# Altium PCB PCB1.PcbDoc (part 1 of 2) (continued)
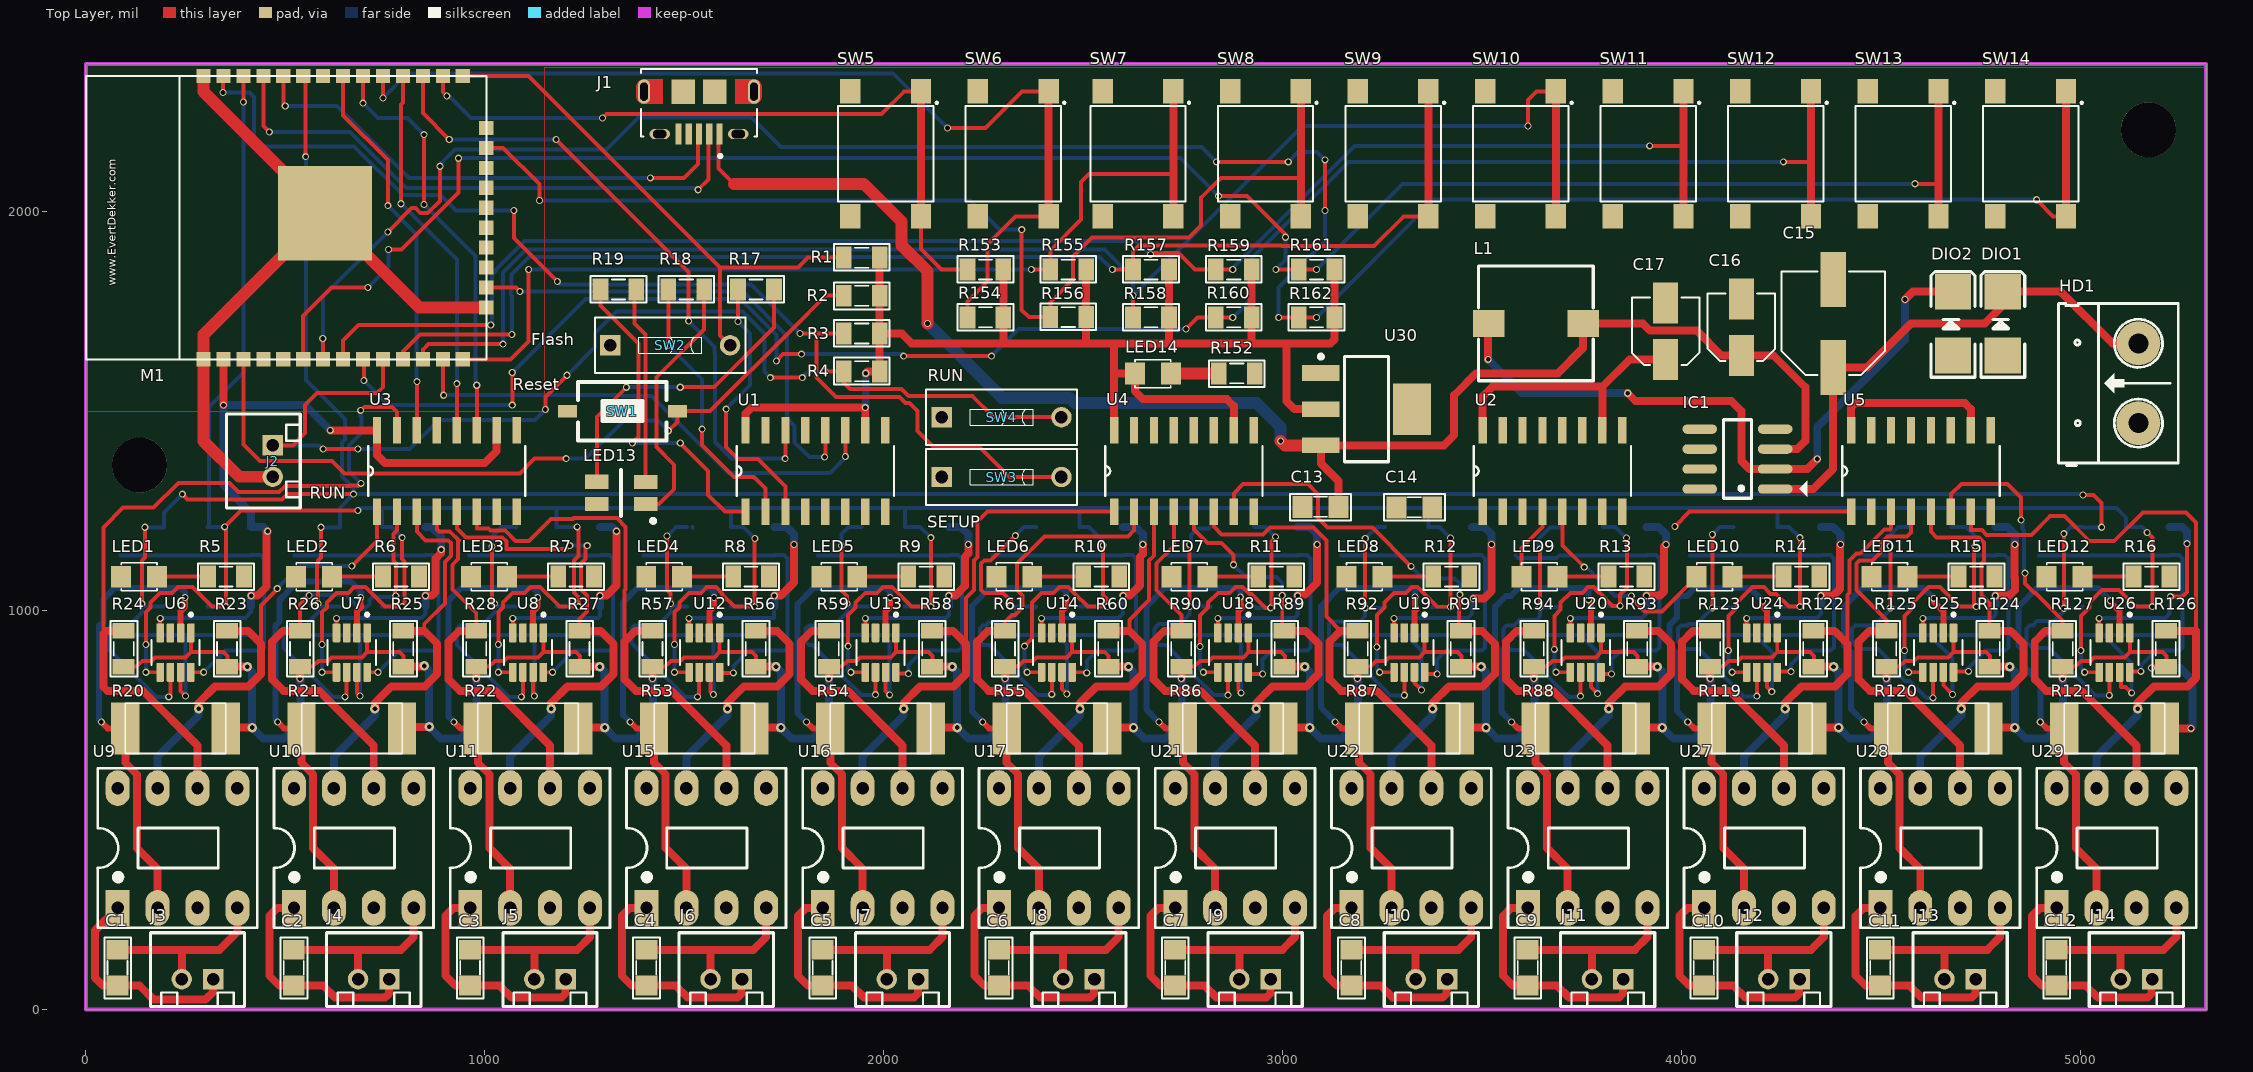
[diagram p0: Top Layer view]
## Footprints (in the part's own frame and the unit in brackets; to place one, negate y for a bottom-side part, rotate by r counter-clockwise, add the part's x,y. Pads: shape width x height; smd on the part's side, far side on the other; paste and mask are expansions set on the pad)
62000211622 [mm] "2.00mm Male Vertical Shrouded Header, 2p"
  rect 1.3x1.3 hole 0.8: 1(1,-0.6)
  round 1.3 hole 0.8: 2(-1,-0.6)
  silkscreen extent -3,-2.35 3,2.35, body extent -3,-2.35 3,2.35, height 6.15
AMPHENOL_10118194-0001LF [mm]
  rect 0.4x1.35 smd: 1(-1.3,2.7) 2(-0.65,2.7) 3(0,2.7) 4(0.65,2.7) 5(1.3,2.7)
  oval 1.3x0.65 hole 0.55 slot 0.85 at 0 deg: S1(-2.5,2.7) S2(2.5,2.7)
  oval 0.775x1.55 hole 0.5 slot 1.15 at 90 deg: S3(-3.5,0) S6(3.5,0)
  rect 1.5x1.55 smd: S4(-1,0) S5(1,0)
  Top Layer region: 193 vertices and 0 holes, not listed, extent 2.3,-0.78 4,0.775
  Top Layer region: 193 vertices and 0 holes, not listed, extent -4,-0.775 -2.3,0.78
  silkscreen extent -3.7,-1.45 3.7,4.2
CAP-ALU-SMD-4.5x5x1.4 [mm]
  rect 2.6x1.6 smd: 1(-1.8,0) 2(1.8,0)
  silkscreen extent -2.15,-2.15 2.15,2.15, body extent -2.5,-2.15 2.5,2.15, height 5.45
CAP-ALU-SMD-6.3x7.7x2.2 [mm]
  rect 3.5x1.6 smd: 1(-2.8,0) 2(2.8,0)
  silkscreen extent -3.3,-3.3 3.3,3.3, body extent -3.65,-3.3 3.65,3.3, height 7.65
DIO-SMD-106 [mil]
  rect 90x90.55 smd: 1(80,0) 2(-80,0)
  silkscreen extent -130,-55 135,55, body extent -99,-50 106,52, height 95
DIP8 [mil] "DIP, 8-Leads, Row Spacing 7.62mm, Pitch 2.54mm, Body 9.91x6.73mm"
  rect 60x90 hole 31: 1(-145,-150)
  oval 60x90 hole 31: 2(-45,-150) 3(55,-150) 4(155,-150) 5(155,150) 6(55,150) 7(-45,150) 8(-145,150)
  silkscreen extent -195,-200 205,200, body extent -213,-153 213,153, height 177
ESP32S [mm] "ESP32S-Module"
  rect 0.9x0.9 smd: 1(0,18.034) 2(0,16.764) 3(0,15.494) 4(0,14.224) 5(0,12.954) 6(0,11.684) 7(0,10.414) 8(0,9.144) 9(0,7.874) 10(0,6.604) 11(0,5.334) 12(0,4.064) 13(0,2.794) 14(0,1.524) 15(3.3,0.034) 16(4.57,0.034) 17(5.84,0.034) 18(7.11,0.034) 19(8.38,0.034) 20(9.65,0.034) 21(10.92,0.034) 22(12.19,0.034) 23(13.46,0.034) 24(14.73,0.034) 25(18.034,1.524) 26(18.034,2.794) 27(18.034,4.064) 28(18.034,5.334) 29(18.034,6.604) 30(18.034,7.874) 31(18.034,9.144) 32(18.034,10.414) 33(18.034,11.684) 34(18.034,12.954) 35(18.034,14.224) 36(18.034,15.494) 37(18.034,16.764) 38(18.034,18.034)
  rect 6x6 smd: 101(9.3,10.3)
  silkscreen extent 0,0 18.03,25.53, body extent 0,0 18.03,25.53, height 2
HED2 [mil] "Header 2, 2 pin, hight 300mil, Pin to Pin 200, Colour Green"
  round 110 hole 50: 1(0,0) 2(200,0)
  silkscreen extent -106,-100 300,200, body extent -92,-140 302,155, height 394
L-SMD-M-7.3x4.5 [mm] "WE-PDA SMD Shielded Power Inductor, 7345"
  rect 1.7x2 smd: 1(0,3) 2(0,-3)
  silkscreen extent -3.65,-3.65 3.65,3.65, body extent -3.65,-3.65 3.65,3.65, height 4.05
"LED RGB 3528" [mm] "Chip LED, 4-Leads, Body 2.8x3.5mm (max), Pitch 1.42mm, IPC Medium Density"
  rect 1.5x0.9 smd: 1(1.55,0.707) 2(1.55,-0.71) 3(-1.55,0.707) 4(-1.55,-0.707)
  silkscreen extent -2.16,-1.5 0.03,1.9, body extent -1.75,-1.4 1.75,1.4, height 1.87
LED-0805-Blue [mil]
  rect 50x55 smd: 1(0,0) 2(90,0)
  silkscreen extent 0,-35 90,35, body extent 5,-25 85,25, height 43
RES-SMD-0603 [mm]
  rect 0.6x0.9 smd: 1(-0.889,0) 2(0.927,0)
  silkscreen extent -1.4,-0.64 1.4,0.64, body extent -0.8,-0.4 0.8,0.4, height 0.43
RES-SMD-0805 [mil]
  rect 39.37x55 smd: 1(-45,0) 2(45,0)
  silkscreen extent -70,-34 70,33, body extent -39,-25 39,25, height 31
RES-SMD-2512 [mm] "Chip Capacitor, Body 3.2x2.5mm, IPC Medium Density"
  rect 1.8x3.3 smd: 1(-3.2,0.127) 2(3.2,0.127)
  silkscreen extent -3.2,-1.47 3.2,1.73, body extent -3.2,-1.47 3.2,1.73, height 0.6
SM-CAP-0805 [mil]
  rect 50x55 smd: 1(0,0) 2(90,0)
  silkscreen extent -32,-34 121,33, body extent 6,-25 84,25, height 31
SO-8 [mm] "8-Pin Small Outline Integrated Circuit 1.27 mm Pitch, IPC Medium Density"
  oval 2.2x0.6 smd: 1(-2.4,1.905) 2(-2.4,0.635) 3(-2.4,-0.635) 4(-2.4,-1.905) 5(2.4,-1.905) 6(2.4,-0.635) 7(2.4,0.635) 8(2.4,1.905)
  silkscreen extent -4.44,-2.5 0.9,2.5, body extent -2.93,-2.51 3.08,2.49, height 1.75
SOIC127P600X175-16N [mil]
  rect 67x21 smd: 1(-102,175) 2(-102,125) 3(-102,75) 4(-102,25) 5(-102,-25) 6(-102,-75) 7(-102,-125) 8(-102,-175) 9(102,-175) 10(102,-125) 11(102,-75) 12(102,-25) 13(102,25) 14(102,75) 15(102,125) 16(102,175)
  silkscreen extent -62,-197 62,197
SOT65P280X145-8N [mm]
  rrect25% 1.21x0.48 smd: 1(-1.255,0.975) 2(-1.255,0.325) 3(-1.255,-0.325) 4(-1.255,-0.975) 5(1.255,-0.975) 6(1.255,-0.325) 7(1.255,0.325) 8(1.255,0.975)
  silkscreen extent -2.51,-1.54 0.8,1.54
SOT223 [mm]
  rect 1x2.4 smd: 1(-2.3,-2.9) 2(0,-2.9) 3(2.3,-2.9)
  rect 3.3x2.4 smd: 4(0,2.9)
  silkscreen extent -3.47,-3.02 3.35,1.4, body extent -3.25,-3.56 3.25,3.4, height 1.68
SW1-SMD [mm]
  rect 1.2x0.8 smd: 1(-3.5,0) 2(3.5,0)
  silkscreen extent -2.82,-1.85 2.82,1.85, body extent -3.05,-1.85 3.05,1.85, height 2.5
SW2-SMD [mm] "6*6mm vertical type, SMD, height 5.0mm, black actuator, 160gf, T&R"
  rect 1.55x1.3 smd: 1(-3.975,2.25) 2(-3.975,-2.25) 3(3.975,-2.25) 4(3.975,2.25)
  silkscreen extent -3.29,-3.04 3.04,3.29, body extent -4.5,-3.1 4.5,3.1, height 4.99
SW-DIP1-1 [mm] "01p, 2.54mm Pitch, Horizontal, Box Type, THT, flat Actuator, red, without Tape, Tube"
  rect 1.3x1.3 hole 0.8: 1(0,-3.81)
  round 1.3 hole 0.8: 2(0,3.81)
  silkscreen extent -1.77,-4.8 1.77,4.8, body extent -1.77,-4.8 1.77,4.8, height 5.4

## Part data
C1 C2 C3 C4 C5 C6 C7 C8 C9 C10 C11 C12 C13 C14: library part CN
C15: library part CN-ALU-SMD, "Polarized Capacitor (Axial)"
C16 C17: "Polarized Capacitor (Axial)"
DIO1 DIO2: "Default Diode"
HD1: library part Hed2, "Header 2 (Green)"
IC1: library part LS1240A, "Electronic Two-Tone Ringer"
J1: "USB - micro B USB 2.0 Receptacle Connector 5 Position Surface Mount, Right Angle; Through Hole"
J2: library part 62000211622, "WR-WTB 2.00mm Male Vertical Shrouded Header, 2p"
J3 J4 J5 J6 J7 J8 J9 J10 J11 J12 J13 J14: "WR-WTB 2.00mm Male Vertical Shrouded Header, 2p"
L1: library part L-SMD-1
LED1 LED2 LED3 LED4 LED5 LED6 LED7 LED8 LED9 LED10 LED11 LED12 LED14: library part "LED SMD"
LED13: library part "LED RGB SMD", "SMD Full-Color Top LED, WL-SFTW, Red & Green & Blue"
M1: "Esp-32S"
R1 R2 R3 R4 R5 R6 R7 R8 R9 R10 R11 R12 R13 R14 R15 R16 R17 R18 R19 R20 R21 R22 R23 R24 R25 R26 R27 R28 R29 R30 R31 R32 R33 R34 R35 R36 R37 R38 R39 R40 R41 R42 R43 R44 R45 R46 R47 R48 R49 R50 R51 R52 R53 R54 R55 R56 R57 R58 R59 R60 R61 R62 R63 R64 R65 R66 R67 R68 R69 R70 R71 R72 R73 R74 R75 R76 R77 R78 R79 R80 R81 R82 R83 R84 R85 R86 R87 R88 R89 R90 R91 R92 R93 R94 R95 R96 R97 R98 R99 R100 R101 R102 R103 R104 R105 R106 R107 R108 R109 R110 R111 R112 R113 R114 R115 R116 R117 R118 R119 R120 R121 R122 R123 R124 R125 R126 R127 R128 R129 R130 R131 R132 R133 R134 R135 R136 R137 R138 R139 R140 R141 R142 R143 R144 R145 R146 R147 R148 R149 R150 R151 R152 R153 R154 R155 R156 R157 R158 R159 R160 R161 R162: library part Res-SMD, "Resistor"
SW1 SW2 SW3 SW4: library part SW2, "Switch button 2 pin"
SW5 SW6 SW7 SW8 SW9 SW10 SW11 SW12 SW13 SW14: library part SW4, "Switch button 4 pin"
U1 U2 U3 U4 U5: "Shift Shift Register 1 Element 8 Bit 16-SO"
U6 U7 U8 U12 U13 U14 U18 U19 U20 U24 U25 U26: "26V, 12-bit, i2c output current/voltage/power monitor 8-SOT-23 -40 to 125"
U9 U10 U11 U15 U16 U17 U21 U22 U23 U27 U28 U29: "Half-Bridge Driver"
U30: library part LM1117, "800mA Low-Dropout Linear Regulator"

## Free pads (board coordinates)
  round 137.8 hole 137.8: 2(135,1365) 2(5170,2205)

## Via types
v1: diameter 17.72, hole 11.81, Top Layer to Bottom Layer, 301 vias
v2: diameter 23.62, hole 11.81, Top Layer to Bottom Layer, 34 vias

## Nets (pads, with @x,y where several pads share a name; then routed paths per layer and width w, separated by ;. In a path a pad name is that pad's centre, name@x,y a point inside that pad or via, vN(x,y) a via of type N, cw(c..) or ccw(c..) an arc to the next point about the centre after c; other vN are vias at no path point)
3V3_1: C14.2 C17.1 LED13.1 LED14.1 M1.2 R1.1 R2.2 R3.1 R4.1 R39.1 R41.1 R43.1 R44.1 R46.1 R48.1 R72.1 R74.1 R76.1 R77.1 R79.1 R81.1 R105.1 R107.1 R109.1 R110.1 R112.1 R114.1 R138.1 R140.1 R142.1 R143.1 R145.1 R147.1 R153.1 R154.1 R155.1 R156.1 R157.1 R158.1 R159.1 R160.1 R161.1 R162.1 U1.10 U1.16 U2.10 U2.16 U3.10 U3.16 U4.10 U4.16 U5.10 U5.16 U6.4 U7.4 U8.4 U12.4 U13.4 U14.4 U18.4 U19.4 U20.4 U24.4 U25.4 U26.4 U30.2 | length 12516.7
  Top Layer w10: U6.4@186.61,944.41 v1(186.61,980.61) ; U7.4@628.43,944.41 v1(628.43,980.61) ; U8.4@1070.25,944.41 v1(1070.25,980.61) ; U12.4@1512.07,944.41 v1(1512.07,980.61) ; U13.4@1953.88,944.41 v1(1953.88,980.61) ; U14.4@2395.7,944.41 v1(2395.7,980.61) ; U18.4@2837.52,944.41 v1(2837.52,980.61) ; U19.4@3279.34,944.41 v1(3279.34,980.61) ; U20.4@3721.16,944.41 v1(3721.16,980.61) ; U24.4@4162.97,944.41 v1(4162.97,980.61) ; U25.4@4604.79,944.41 v1(4604.79,980.61) ; U26.4@5046.61,944.41 v1(5046.61,980.61) ; v1(5225,1035) 5255,1035 5267,1047 v1(5267,1168)
  Top Layer w20: v1(345,1515) M1.2@345,1630 ; v1(414.44,1037.44) 415,1038 431,1038 453.14,1060.14 453.14,1196.14 v1(456,1199) ; v1(613,1452) U3.16@730,1452 730,1390 750,1370 1000,1370 1030,1400 U3.10@1030,1452 ; v1(851.62,1037.44) 852.18,1038 868.18,1038 877,1046.82 877,1131 891,1145 v1(891,1153) ; v1(1288.8,1037.44) 1289.36,1038 1305.36,1038 1330.36,1063 v1(1330.36,1199) ; U1.16@1653.75,1452 1653.75,1493.75 1668.75,1508.75 v1(1953.75,1508.75) U1.10@1953.75,1452 ; v1(1725.98,1037.44) 1726.55,1038 1742.55,1038 1775,1070.45 v1(1775,1166) ; v1(1955,1595) 1960,1600 R4.1@1990,1600 R3.1@1990,1694.67 ; R1.1@1990,1885 R3.1@1990,1694.67 ; v1(2163.17,1037.44) 2163.73,1038 2179.73,1038 2203.42,1061.69 2203.42,1134.87 2212.18,1143.63 v1(2212.18,1166) ; R153.1@2300,1855 R154.1@2300,1735 2300,1670 ; 2507.5,1672.5 R156.1@2507.5,1736 R155.1@2507.5,1855 ; U4.16@2577.5,1452 2577.5,1595 ; v1(2600.35,1037.44) 2600.91,1038 2616.91,1038 2642.19,1063.28 2642.19,1134.87 2649.36,1142.04 v1(2649.36,1166) ; 2715,1675 R158.1@2715,1735 R157.1@2715,1855 ; U4.10@2877.5,1452 2877.5,1512.5 2860,1530 2650,1530 2630,1550 LED14.1@2630,1594 2578.5,1594 2577.5,1595 ; R159.1@2922.5,1855 R160.1@2922.5,1735 2922.5,1672.5 2925,1670 ; v1(3037.53,1037.44) 3040.09,1040 3056.21,1040 3086.55,1070.34 v1(3086.55,1166) ; U30.2@3095.83,1505 3030,1505 3010,1525 3010,1670 ; R161.1@3130,1855 R162.1@3130,1735 3130,1680 3120,1670 3010,1670 ; v1(3478,1030) 3505,1030 3523.73,1048.73 v1(3523.73,1166) ; U2.16@3501.25,1452 3501.25,1536.25 3526.25,1561.25 3801.25,1561.25 ; U2.10@3801.25,1452 3801.25,1561.25 ; v1(3911.9,1037.44) 3912.46,1038 3946,1038 3956.14,1048.14 3956.14,1161.23 v1(3960.91,1166) ; C17.1@3960,1629.13 3869.13,1629.13 3801.25,1561.25 ; v1(4349.08,1037.44) 4349.64,1038 4381,1038 4397.26,1054.26 4397.26,1165.17 v1(4398.09,1166) ; U5.16@4425,1452 4425,1510 4435,1520 4710,1520 4725,1505 U5.10@4725,1452 ; v1(4786.26,1037.44) 4786.82,1038 4822,1038 4835.28,1051.28 4835.28,1081.74 4834.14,1082.88 4834.14,1164.86 v1(4835.28,1166) ; R3.1@1990,1694.67 2045.33,1694.67 2070,1670 2300,1670 ; 2300,1670 2580,1670 ; 2577.5,1595 2577.5,1667.5 2580,1670 ; 2580,1670 2925,1670 ; 2925,1670 3010,1670
  Bottom Layer w10: v1(186.61,980.61) 188,982 400,982 414.44,996.44 R44.1@414.44,1010 ; v1(628.43,980.61) 629.82,982 841.82,982 851.62,991.8 R46.1@851.62,1010 ; v1(1070.25,980.61) 1071.64,982 1283.64,982 1288.8,987.16 R48.1@1288.8,1010 ; v1(1512.07,980.61) 1513.45,982 1725.45,982 R77.1@1725.45,1009.47 ; v1@1955.27,982 2156,982 2163.17,989.17 R79.1@2163.17,1010 ; v1@2397.09,982 2589,982 2600.35,993.35 R81.1@2600.35,1010 ; v1@2838.91,982 3030,982 3037.53,989.53 R110.1@3037.53,1010 ; v1@3280.73,982 3464,982 3474.71,992.71 R112.1@3474.71,1010 ; v1@3722.54,982 3901,982 3911.9,992.9 R114.1@3911.9,1010 ; v1@4164.36,982 4339,982 4349.08,992.08 R143.1@4349.08,1010 ; v1@4606.18,982 4779,982 4786.26,989.26 R145.1@4786.26,1010 ; v1@5048,982 5213,982 5223.44,992.44 R147.1@5223.44,1010 5225,1011.56 v1(5225,1035)
  Bottom Layer w20: R44.1@414.44,1010 v1(414.44,1037.44) ; v1(456,1199) 445,1210 R39.1@414.44,1210 414.44,1245.56 345,1315 v1(345,1515) 550,1515 v1(613,1452) ; R46.1@851.62,1010 v1(851.62,1037.44) ; R41.1@851.62,1210 866.18,1210 891,1185.18 v1(891,1153) ; R48.1@1288.8,1010 v1(1288.8,1037.44) ; R43.1@1288.8,1210 1319.36,1210 v1(1330.36,1199) ; R77.1@1725.45,1009.47 R77.1@1725.98,1010 v1(1725.98,1037.44) ; R72.1@1725.98,1210 1756.54,1210 1775,1191.55 v1(1775,1166) ; v1(1953.75,1508.75) 1955,1510 v1(1955,1595) ; R79.1@2163.17,1010 v1(2163.17,1037.44) ; R74.1@2163.17,1210 2193.73,1210 2212.18,1191.55 v1(2212.18,1166) ; R81.1@2600.35,1010 v1(2600.35,1037.44) ; R76.1@2600.35,1210 2630.91,1210 2649.36,1191.55 v1(2649.36,1166) ; R110.1@3037.53,1010 v1(3037.53,1037.44) ; R105.1@3037.53,1210 3068.09,1210 3086.55,1191.55 v1(3086.55,1166) ; R112.1@3474.71,1010 3478,1013.29 v1(3478,1030) ; R107.1@3474.71,1210 3505.27,1210 3523.73,1191.55 v1(3523.73,1166) ; R114.1@3911.9,1010 v1(3911.9,1037.44) ; R109.1@3911.9,1210 3942.46,1210 3960.91,1191.55 v1(3960.91,1166) ; R143.1@4349.08,1010 v1(4349.08,1037.44) ; R138.1@4349.08,1210 4379.64,1210 4398.09,1191.55 v1(4398.09,1166) ; R145.1@4786.26,1010 v1(4786.26,1037.44) ; R140.1@4786.26,1210 4816.82,1210 4835.28,1191.55 v1(4835.28,1166) ; R142.1@5223.44,1210 5255,1210 5267,1198 v1(5267,1168)
5V: C13.2 C16.1 IC1.3 J1.1 L1.1 U30.3 | length 3887.3
  Top Layer w10: J1.1@1586.18,2173.7 1586.18,2108.82 1625,2070
  Top Layer w20: C13.2@3140,1260 3140,1325 3095.83,1369.17 U30.3@3095.83,1414.45 3404.45,1414.45 3430,1440 3430,1540 3485,1595 3690,1595 3753.11,1658.11 L1.1@3753.11,1720 3902.73,1720 3921.05,1701.68 4038.31,1701.68 4100.87,1639.13 C16.1@4150,1639.13 4230.87,1639.13 4310,1560 4310,1425 4290,1405 IC1.3@4234.49,1405
  Top Layer w30: 1625,2070 1950,2070 2044.99,1975.01 2044.99,1915.41 2110,1850.4 v1(2110,1720) ; v1(2995,1425) 3005.55,1414.45 U30.3@3095.83,1414.45
  Bottom Layer w30: v1(2110,1720) 2296.41,1533.59 2465.69,1533.59 2479.28,1520 2935,1520 2995,1460 v1(2995,1425)
12V: C15.1 DIO1.2 HD1.2 IC1.1 R20.1 R21.1 R22.1 R23.1 R24.1 R25.1 R26.1 R27.1 R28.1 R53.1 R54.1 R55.1 R56.1 R57.1 R58.1 R59.1 R60.1 R61.1 R86.1 R87.1 R88.1 R89.1 R90.1 R91.1 R92.1 R93.1 R94.1 R119.1 R120.1 R121.1 R122.1 R123.1 R124.1 R125.1 R126.1 R127.1 U6.1 U7.1 U8.1 U12.1 U13.1 U14.1 U18.1 U19.1 U20.1 U24.1 U25.1 U26.1 | length 12134
  Top Layer w10: R24.1@95.08,859.45 127,859.45 141.55,874 164.75,874 173.75,883 250.38,883 263.38,896 ; U6.1@263.38,944.41 263.38,896 ; R23.1@353.91,859.45 355,860.53 355,886 345,896 263.38,896 ; R26.1@536.9,859.45 568.82,859.45 583.37,874 606.57,874 615.57,883 692.2,883 705.2,896 ; U7.1@705.2,944.41 705.2,896 ; R25.1@795.73,859.45 796.82,860.53 796.82,886 786.82,896 705.2,896 ; R28.1@978.72,859.45 1010.64,859.45 1025.19,874 1048.39,874 1057.39,883 1134.02,883 1147.02,896 ; U8.1@1147.02,944.41 1147.02,896 ; R27.1@1237.55,859.45 1238.64,860.53 1238.64,886 1228.64,896 1147.02,896 ; R57.1@1420.53,859.45 1452.45,859.45 1467.01,874 1490.21,874 1499.21,883 1575.84,883 1588.84,896 ; U12.1@1588.84,944.41 1588.84,896 ; R56.1@1679.37,859.45 1680.45,860.53 1680.45,886 1670.45,896 1588.84,896 ; R59.1@1862.35,859.45 1894.27,859.45 1908.83,874 1932.03,874 1941.03,883 2017.66,883 2030.66,896 ; U13.1@2030.66,944.41 2030.66,896 ; R58.1@2121.19,859.45 2122.27,860.53 2122.27,886 2112.27,896 2030.66,896 ; R61.1@2304.17,859.45 2336.09,859.45 2350.64,874 2373.84,874 2382.84,883 2459.47,883 2472.47,896 ; U14.1@2472.47,944.41 2472.47,896 ; R60.1@2563.01,859.45 2564.09,860.53 2564.09,886 2554.09,896 2472.47,896 ; R90.1@2745.99,859.45 2777.91,859.45 2792.46,874 2815.66,874 2824.66,883 2901.29,883 2914.29,896 ; U18.1@2914.29,944.41 2914.29,896 ; R89.1@3004.82,859.45 3005.91,860.53 3005.91,886 2995.91,896 2914.29,896 ; R92.1@3187.81,859.45 3219.73,859.45 3234.28,874 3257.48,874 3266.48,883 3343.11,883 3356.11,896 ; U19.1@3356.11,944.41 3356.11,896 ; R91.1@3446.64,859.45 3447.73,860.53 3447.73,886 3437.73,896 3356.11,896 ; R94.1@3629.63,859.45 3661.54,859.45 3676.1,874 3699.3,874 3708.3,883 3784.93,883 3797.93,896 ; U20.1@3797.93,944.41 3797.93,896 ; R93.1@3888.46,859.45 3889.54,860.53 3889.54,886 3879.54,896 3797.93,896 ; R123.1@4071.44,859.45 4103.36,859.45 4117.92,874 4141.12,874 4150.12,883 4226.75,883 4239.75,896 ; U24.1@4239.75,944.41 4239.75,896 ; R122.1@4330.28,859.45 4331.36,860.53 4331.36,886 4321.36,896 4239.75,896 ; R125.1@4513.26,859.45 4545.18,859.45 4559.73,874 4582.93,874 4591.93,883 4668.56,883 4681.56,896 ; U25.1@4681.56,944.41 4681.56,896 ; R124.1@4772.1,859.45 4773.18,860.53 4773.18,886 4763.18,896 4681.56,896 ; R127.1@4955.08,859.45 4987,859.45 5001.55,874 5024.75,874 5033.75,883 5110.38,883 5123.38,896 ; U26.1@5123.38,944.41 5123.38,896 ; v1(5178,856) 5181.45,859.45 R126.1@5213.91,859.45 5215,860.53 5215,886 5205,896 5123.38,896
  Top Layer w20: R20.1@350.98,705 352.98,707 v2(417,707) ; R23.1@353.91,859.45 v2(404.55,859.45) ; v1(536.9,830.1) R26.1@536.9,859.45 ; R25.1@795.73,859.45 v2@846.37,859.45 ; R21.1@796.72,708.92 v2(860.74,708.92) ; v1(978.72,830.1) R28.1@978.72,859.45 ; R22.1@1236.62,707 v2(1300.64,707) ; R27.1@1237.55,859.45 v2(1288.19,859.45) ; v1(1420.53,830.1) R57.1@1420.53,859.45 ; R53.1@1678.44,707 v2(1742.45,707) ; R56.1@1679.37,859.45 v2(1730.01,859.45) ; v1(1862.35,830.1) R59.1@1862.35,859.45 ; R54.1@2120.25,707 v2(2184.27,707) ; R58.1@2121.19,859.45 v2(2171.83,859.45) ; v1(2304.17,830.1) R61.1@2304.17,859.45 ; R55.1@2562.07,707 v2(2626.09,707) ; R60.1@2563.01,859.45 v2(2613.64,859.45) ; v1(2745.99,830.1) R90.1@2745.99,859.45 ; R86.1@3003.89,707 v2(3067.91,707) ; R89.1@3004.82,859.45 v2(3055.46,859.45) ; v1(3187.81,830.1) R92.1@3187.81,859.45 ; R87.1@3445.71,707 v2(3509.73,707) ; R91.1@3446.64,859.45 v2(3497.28,859.45) ; v1(3629.63,830.1) R94.1@3629.63,859.45 ; R88.1@3887.53,707 v2(3951.54,707) ; R93.1@3888.46,859.45 v2(3939.1,859.45) ; v1(4071.44,830.1) R123.1@4071.44,859.45 ; IC1.1@4234.49,1305 4330,1305 4380,1355 C15.1@4380,1609.76 4464.76,1609.76 4575,1720 4760,1720 4805,1765 DIO1.2@4805,1800 4950,1800 5080,1670 HD1.2@5145,1670 ; R119.1@4329.34,707 v2(4393.36,707) ; R122.1@4330.28,859.45 v2(4380.92,859.45) ; v1(4513.26,830.1) R125.1@4513.26,859.45 ; R120.1@4771.16,707 v2(4835.18,707) ; R124.1@4772.1,859.45 v2(4822.73,859.45) ; v1(4955.08,830.1) R127.1@4955.08,859.45 ; R121.1@5210.98,705 v1(5277,705)
  Bottom Layer w20: v2@406.11,861 v2(404.55,859.45) 417,847 v2(417,707) 445,679 496,679 538,721 538,829 v1(536.9,830.1) ; v2@849.84,862.92 v2(848.29,861.37) 860.74,848.92 v2(860.74,708.92) 890.66,679 937.82,679 979.82,721 979.82,829 v1(978.72,830.1) ; v2@1289.74,861 v2(1288.19,859.45) 1300.64,847 v2(1300.64,707) 1328.64,679 1379.64,679 1421.64,721 1421.64,829 v1(1420.53,830.1) ; v2@1731.56,861 v2(1730.01,859.45) 1742.45,847 v2(1742.45,707) 1770.45,679 1821.45,679 1863.45,721 1863.45,829 v1(1862.35,830.1) ; v2@2173.38,861 v2(2171.83,859.45) 2184.27,847 v2(2184.27,707) 2212.27,679 2263.27,679 2305.27,721 2305.27,829 v1(2304.17,830.1) ; v2@2615.2,861 v2(2613.64,859.45) 2626.09,847 v2(2626.09,707) 2654.09,679 2705.09,679 2747.09,721 2747.09,829 v1(2745.99,830.1) ; v2@3057.01,861 v2(3055.46,859.45) 3067.91,847 v2(3067.91,707) 3095.91,679 3146.91,679 3188.91,721 3188.91,829 v1(3187.81,830.1) ; v2@3498.83,861 v2(3497.28,859.45) 3509.73,847 v2(3509.73,707) 3537.73,679 3588.73,679 3630.73,721 3630.73,829 v1(3629.63,830.1) ; v2@3940.65,861 v2(3939.1,859.45) 3951.54,847 v2(3951.54,707) 3979.54,679 4030.54,679 4072.54,721 4072.54,829 v1(4071.44,830.1) ; v2@4382.47,861 v2(4380.92,859.45) 4393.36,847 v2(4393.36,707) 4421.36,679 4472.36,679 4514.36,721 4514.36,829 v1(4513.26,830.1) ; v2@4824.29,861 v2(4822.73,859.45) 4835.18,847 v2(4835.18,707) 4863.18,679 4914.18,679 4956.18,721 4956.18,829 v1(4955.08,830.1) ; v1(5178,856) 5250,856 5281,825 5281,709 v1(5277,705)
A0_1: R32.2 R38.2 R44.2 R50.2 U6.7 | length 545.2
  Top Layer w10: U6.7@237.79,845.59 237.79,798.21 v1(250,786)
  Bottom Layer w10: R50.2@86.54,938.51 R38.2@195.84,938.51 250.49,938.51 ; v1(250,786) 250,938.02 250.49,938.51 ; R44.2@414.43,938.51 R32.2@305.14,938.51 250.49,938.51
A0_2: R34.2 R40.2 R46.2 R51.2 U7.7 | length 543.3
  Top Layer w10: U7.7@679.61,845.59 679.61,793.57 v1(687.18,786)
  Bottom Layer w10: R51.2@523.73,938.51 R40.2@633.02,938.51 687.67,938.51 ; v1(687.18,786) 687.18,938.02 687.67,938.51 ; R46.2@851.61,938.51 R34.2@742.32,938.51 687.67,938.51
A0_3: R36.2 R42.2 R48.2 R52.2 U8.7 | length 542.4
  Top Layer w10: v1(1124.36,786) 1121.43,788.94 1121.43,836.45 1124.57,833.31 U8.7@1124.57,827.59
  Bottom Layer w10: R52.2@960.91,938.51 R42.2@1070.2,938.51 1124.85,938.51 ; v1(1124.36,786) 1124.36,938.02 1124.85,938.51 ; R48.2@1288.8,938.51 R36.2@1179.5,938.51 1124.85,938.51
A0_4: R65.2 R71.2 R77.2 R83.2 U12.7 | length 521.7
  Top Layer w10: U12.7@1566.39,827.59 1566.39,796.61 v1(1573,790)
  Bottom Layer w10: R83.2@1398.09,938.51 R71.2@1507.39,938.51 1562.04,938.51 ; v1(1573,790) 1573,926.57 1561.55,938.02 1562.04,938.51 ; R77.2@1725.98,938.51 R65.2@1616.68,938.51 1562.04,938.51
A0_5: R67.2 R73.2 R79.2 R84.2 U13.7 | length 545
  Top Layer w10: U13.7@2005.07,845.59 2005.07,798.93 v1(2015,789)
  Bottom Layer w10: R84.2@1835.27,938.51 R73.2@1944.57,938.51 1999.22,938.51 ; v1(2015,789) 2015,921.75 1998.73,938.02 1999.22,938.51 ; R79.2@2163.16,938.51 R67.2@2053.87,938.51 1999.22,938.51
A0_6: R69.2 R75.2 R81.2 R85.2 U14.7 | length 544.8
  Top Layer w10: U14.7@2446.88,845.59 2446.88,803.12 v1(2459,791)
  Bottom Layer w10: R85.2@2272.46,938.51 R75.2@2381.75,938.51 2436.4,938.51 ; v1(2459,791) 2459,914.94 2435.91,938.02 2436.4,938.51 ; R81.2@2600.34,938.51 R69.2@2491.05,938.51 2436.4,938.51
A0_7: R98.2 R104.2 R110.2 R116.2 U18.7 | length 536.7
  Top Layer w10: U18.7@2888.7,845.59 2888.7,801.3 v1(2896,794)
  Bottom Layer w10: R116.2@2709.64,938.51 R104.2@2818.93,938.51 2873.58,938.51 ; v1(2896,794) 2896,915.12 2873.09,938.02 2873.58,938.51 ; R110.2@3037.53,938.51 R98.2@2928.23,938.51 2873.58,938.51
A0_8: R100.2 R106.2 R112.2 R117.2 U19.7 | length 533.1
  Top Layer w10: U19.7@3330.52,845.59 3330.52,818.48 v1(3348,801)
  Bottom Layer w10: R117.2@3146.82,938.51 R106.2@3256.12,938.51 3310.76,938.51 ; v1(3348,801) 3348,900.3 3310.28,938.02 3310.76,938.51 ; R112.2@3474.71,938.51 R100.2@3365.41,938.51 3310.76,938.51
A0_9: R102.2 R108.2 R114.2 R118.2 U20.7 | length 552.3
  Top Layer w10: U20.7@3772.34,845.59 3772.34,808.66 v1(3789,792)
  Bottom Layer w10: R118.2@3584,938.51 R108.2@3693.3,938.51 3747.95,938.51 ; v1(3789,792) 3789,896.48 3747.46,938.02 3747.95,938.51 ; R114.2@3911.89,938.51 R102.2@3802.6,938.51 3747.95,938.51
A0_10: R131.2 R137.2 R143.2 R149.2 U24.7 | length 540.2
  Top Layer w10: U24.7@4214.16,845.59 4214.16,808.84 v1(4226,797)
  Bottom Layer w10: R149.2@4021.19,938.51 R137.2@4130.48,938.51 4185.13,938.51 ; v1(4226,797) 4226,896.67 4184.64,938.02 4185.13,938.51 ; R143.2@4349.07,938.51 R131.2@4239.78,938.51 4185.13,938.51
A0_11: R133.2 R139.2 R145.2 R150.2 U25.7 | length 565.4
  Top Layer w10: U25.7@4655.97,845.59 4655.97,813.03 v1(4679,790)
  Bottom Layer w10: R150.2@4458.37,938.51 R139.2@4567.66,938.51 4622.31,938.51 ; v1(4679,790) 4679,880.85 4621.82,938.02 4622.31,938.51 ; R145.2@4786.26,938.51 R133.2@4676.96,938.51 4622.31,938.51
A0_12: R135.2 R141.2 R147.2 R151.2 U26.7 | length 572.5
  Top Layer w10: U26.7@5097.79,845.59 5100.93,842.45 5100.93,808.77 5113.23,808.77 v1(5128,794)
  Bottom Layer w10: R151.2@4895.55,938.51 R141.2@5004.85,938.51 5059.49,938.51 ; v1(5128,794) 5128,869.03 5059.01,938.02 5059.49,938.51 ; R147.2@5223.44,938.51 R135.2@5114.14,938.51 5059.49,938.51
A1_1: R29.2 R33.2 R39.2 R45.2 U6.8 | length 797.3
  Top Layer w10: U6.8@263.38,845.59 v1(295.41,845.59)
  Bottom Layer w10: R45.2@86.54,1138.51 R33.2@195.84,1138.51 R29.2@305.14,1138.51 R39.2@414.43,1138.51 415.92,1140 438,1140 447,1131 447,908 439,900 349.82,900 v1(295.41,845.59)
A1_2: R30.2 R35.2 R41.2 R47.2 U7.8 | length 795.1
  Top Layer w10: U7.8@700.57,845.59 v1(732.59,845.59)
  Bottom Layer w10: R47.2@523.73,1138.51 R35.2@633.02,1138.51 R30.2@742.32,1138.51 R41.2@851.61,1138.51 853.1,1140 871.47,1140 884.18,1127.29 884.18,908 876.18,900 787,900 v1(732.59,845.59)
A1_3: R31.2 R37.2 R43.2 R49.2 U8.8 | length 788
  Top Layer w10: U8.8@1147.02,845.59 v1(1169.77,845.59)
  Bottom Layer w10: R49.2@960.91,1138.51 R37.2@1070.2,1138.51 R31.2@1179.5,1138.51 R43.2@1288.8,1138.51 1290.28,1140 1312.36,1140 1321.36,1131 1321.36,908 1313.36,900 1224.18,900 v1(1169.77,845.59)
A1_4: R62.2 R66.2 R72.2 R78.2 U12.8 | length 795
  Top Layer w10: U12.8@1588.84,845.59 1590.43,844 v1(1623,844)
  Bottom Layer w10: R78.2@1398.09,1138.51 R66.2@1507.39,1138.51 R62.2@1616.68,1138.51 R72.2@1725.98,1138.51 1727.47,1140 1749.55,1140 1758.55,1131 1758.55,908 1750.55,900 1661.37,900 1623,861.63 v1(1623,844)
A1_5: R63.2 R68.2 R74.2 R80.2 U13.8 | length 794.3
  Top Layer w10: U13.8@2030.66,845.59 2034.25,842 v1(2062,842)
  Bottom Layer w10: R80.2@1835.27,1138.51 R68.2@1944.57,1138.51 R63.2@2053.87,1138.51 R74.2@2163.16,1138.51 2164.65,1140 2186.73,1140 2195.73,1131 2195.73,908 2187.73,900 2098.55,900 2062,863.45 v1(2062,842)
A1_6: R64.2 R70.2 R76.2 R82.2 U14.8 | length 792.6
  Top Layer w10: U14.8@2472.47,845.59 2507.41,845.59 v1(2509,844)
  Bottom Layer w10: R82.2@2272.46,1138.51 R70.2@2381.75,1138.51 R64.2@2491.05,1138.51 R76.2@2600.34,1138.51 2601.83,1140 2623.91,1140 2632.91,1131 2632.91,908 2624.91,900 2535.73,900 2509,873.27 v1(2509,844)
A1_7: R95.2 R99.2 R105.2 R111.2 U18.8 | length 794.4
  Top Layer w10: U18.8@2914.29,845.59 2918.88,841 v1(2950,841)
  Bottom Layer w10: R111.2@2709.64,1138.51 R99.2@2818.93,1138.51 R95.2@2928.23,1138.51 R105.2@3037.53,1138.51 3039.01,1140 3061.09,1140 3070.09,1131 3070.09,908 3062.09,900 2972.91,900 2950,877.09 v1(2950,841)
A1_8: R96.2 R101.2 R107.2 R113.2 U19.8 | length 789.8
  Top Layer w10: U19.8@3356.11,845.59 3360.7,841 v1(3387.18,841)
  Bottom Layer w10: R113.2@3146.82,1138.51 R101.2@3256.12,1138.51 R96.2@3365.41,1138.51 R107.2@3474.71,1138.51 3476.2,1140 3498.28,1140 3507.28,1131 3507.28,908 3499.28,900 3410.1,900 3387.18,877.09 v1(3387.18,841)
A1_9: R97.2 R103.2 R109.2 R115.2 U20.8 | length 790.4
  Top Layer w10: U20.8@3797.93,845.59 3802.52,841 v1(3824.36,841)
  Bottom Layer w10: R115.2@3584,1138.51 3590.37,1132.14 3686.93,1132.14 R103.2@3693.3,1138.51 R97.2@3802.6,1138.51 R109.2@3911.89,1138.51 3913.38,1140 3935.46,1140 3944.46,1131 3944.46,908 3936.46,900 3847.28,900 3824.36,877.09 v1(3824.36,841)
A1_10: R128.2 R132.2 R138.2 R144.2 U24.8 | length 763.9
  Top Layer w10: U24.8@4241.16,847 v1(4274,847)
  Bottom Layer w10: R144.2@4021.19,1138.51 R132.2@4130.48,1138.51 R128.2@4239.78,1138.51 R138.2@4349.07,1138.51 4350.56,1140 4372.64,1140 4381.64,1131 4381.64,908 4373.64,900 4309.37,900 4274,864.63 v1(4274,847)
A1_11: R129.2 R134.2 R140.2 R146.2 U25.8 | length 752.7
  Top Layer w10: U25.8@4683.97,848 v1(4719,848)
  Bottom Layer w10: R146.2@4458.37,1138.51 R134.2@4567.66,1138.51 R129.2@4676.96,1138.51 R140.2@4786.26,1138.51 4787.74,1140 4809.82,1140 4818.82,1131 4818.82,908 4810.82,900 4762.18,900 4719,856.82 v1(4719,848)
A1_12: R130.2 R136.2 R142.2 R148.2 U26.8 | length 754.5
  Top Layer w10: U26.8@5123.38,845.59 5125.79,848 v1(5151,848)
  Bottom Layer w10: R148.2@4895.55,1138.51 R136.2@5004.85,1138.51 R130.2@5114.14,1138.51 R142.2@5223.44,1138.51 5224.93,1140 5247.01,1140 5256.01,1131 5256.01,908 5248.01,900 5189,900 5151,862 v1(5151,848)
BTN_M1: M1.26 R153.2 SW5.1 SW5.4 | length 1825.8
  Top Layer w10: M1.26@895,2340 895,2300 v1(905,2290) ; v1(1295,2235) 1305,2245 1995,2245 2051.49,2301.49 SW5.1@2093.58,2301.49 ; SW5.4@2093.58,1988.5 2093.58,1906.42 2145,1855 R153.2@2210,1855
  Top Layer w20: SW5.4@2093.58,1988.5 SW5.1@2093.58,2301.49
  Bottom Layer w10: v1(905,2290) 910,2290 965,2235 v1(1295,2235)
BTN_M2: M1.29 R154.2 SW6.1 SW6.4 | length 2542.7
  Top Layer w10: v1(745,2285) M1.29@745,2340 ; v1(2160,2210) 2255,2210 2346.49,2301.49 SW6.1@2413.23,2301.49 ; R154.2@2210,1735 2210,1775 2260,1825 2260,1918 2330.5,1988.5 SW6.4@2413.23,1988.5
  Top Layer w20: SW6.4@2413.23,1988.5 SW6.1@2413.23,2301.49
  Bottom Layer w10: v1(745,2285) 807,2347 2023,2347 v1(2160,2210)
BTN_M3: M1.14 R155.2 SW7.1 SW7.4 | length 3735.6
  Top Layer w10: M1.14@945,1630 1065,1630 1110,1675 v1(1110,1855) ; v1(2370,1855) R155.2@2417.5,1855 2417.5,1902.5 2495,1980 2495,2075 2515,2095 2726.08,2095
  Top Layer w20: SW7.4@2726.08,1988.5 2726.08,2095 SW7.1@2726.08,2301.5
  Bottom Layer w10: v1(1110,1855) v1(2370,1855) v1(1110,1855)
BTN_M4: M1.23 R156.2 SW8.1 SW8.4 | length 2913.4
  Top Layer w10: M1.23@1003.66,2159.92 1046.08,2159.92 1137,2069 v1(1137,2028) ; v1(2346,1955) 2346,1754 2364,1736 R156.2@2417.5,1736 2417.5,1772.5 2474.82,1829.82 2474.82,1887.88 2521.93,1935 2765,1935 2795,1965 2795,2035 2845,2085 3045.72,2085
  Top Layer w20: SW8.4@3045.72,1988.5 3045.72,2085 SW8.1@3045.72,2301.5
  Bottom Layer w10: v1(1137,2028) 2217,2028 2290,1955 v1(2346,1955)
BTN_M5: M1.11 R157.2 SW9.1 SW9.4 | length 3191.3
  Top Layer w10: M1.11@795,1630 795,1649 838,1692 v1(1068,1692) ; v1(2573,1855) R157.2@2625,1855 2625,1900 2640,1915 2997.09,1915 2997.95,1914.14 3229.14,1914.14 3303.5,1988.5 SW9.4@3365.36,1988.5
  Top Layer w20: SW9.4@3365.36,1988.5 SW9.1@3365.36,2301.5
  Bottom Layer w10: v1(1068,1692) 1068,1789.09 1066.14,1790.95 1066.14,1809.05 1067,1809.91 1067,1842.91 1111.09,1887 2541,1887 v1(2573,1855) v1@2570,1852